# Allegro board 038RT-9068CJK8E-A100_0921_1.brd (continued)
## Placement (name value [footprint] x y rotation side) (continued)
NOREF#5093  -  []  185 214.96 0 top
NOREF#5094  -  []  286.49 199.43 0 top
NOREF#5095  -  []  404.47 266.22 0 top
NOREF#5096  -  []  602.77 207.82 0 top
NOREF#5097  -  []  388.15 223.37 0 top
NOREF#5098  -  []  610.95 179.12 0 top
NOREF#5099  -  []  123.58 47.77 90 top
NOREF#5100  -  []  600.81 204.23 0 top
NOREF#5101  -  []  60.63 191.22 90 top
NOREF#5102  -  []  86.97 203.82 0 top
NOREF#5103  -  []  59.69 373.37 90 top
NOREF#5104  -  []  166.96 259.08 0 top
NOREF#5105  -  []  52.31 215.01 90 top
NOREF#5106  -  []  633.45 339.97 0 top
NOREF#5107  -  []  617.08 331.22 90 top
NOREF#5108  -  []  601.07 164.08 0 top
NOREF#5109  -  []  131.43 312.42 90 top
NOREF#5110  -  []  441.22 217.63 90 top
NOREF#5111  -  []  407.9 253.53 90 top
NOREF#5112  -  []  85.65 230.09 0 top
NOREF#5113  -  []  604.4 212.59 90 top
NOREF#5114  -  []  288.56 250.87 90 top
NOREF#5115  -  []  603.57 259.82 0 top
NOREF#5116  -  []  602.91 181.71 0 top
NOREF#5117  -  []  517.83 434.42 90 top
NOREF#5118  -  []  586.66 181.71 90 top
NOREF#5119  -  []  468.26 432.64 90 top
NOREF#5120  -  []  274.78 279.15 90 top
NOREF#5121  -  []  86.61 265.03 0 top
NOREF#5122  -  []  407.29 269.03 0 top
NOREF#5123  -  []  608.18 241.06 90 top
NOREF#5124  -  []  436.2 225.03 0 top
NOREF#5125  -  []  104.63 157.86 0 top
NOREF#5126  -  []  459.22 439.19 0 top
NOREF#5127  -  []  601.59 261.83 0 top
NOREF#5128  -  []  673.94 155.19 90 top
NOREF#5129  -  []  556.62 153.92 0 top
NOREF#5130  -  []  91.39 205.03 0 top
NOREF#5131  -  []  14.11 185.04 0 top
NOREF#5132  -  []  503.67 263.68 0 top
NOREF#5133  -  []  410.07 209.42 0 top
NOREF#5134  -  []  282.4 219.42 90 top
NOREF#5135  -  []  593.61 260.23 0 top
NOREF#5136  -  []  227.8 203 0 top
NOREF#5137  -  []  408.11 204.21 0 top
NOREF#5138  -  []  373.61 203 90 top
NOREF#5139  -  []  292.95 218.14 0 top
NOREF#5140  -  []  586.66 182.91 0 top
NOREF#5141  -  []  92.17 261.05 90 top
NOREF#5142  -  []  622.83 225.14 0 top
NOREF#5143  -  []  460.42 439.19 0 top
NOREF#5144  -  []  472.22 92.61 90 top
NOREF#5145  -  []  631.5 349.96 90 top
NOREF#5146  -  []  402.49 201.83 0 top
NOREF#5147  -  []  437.41 221.69 90 top
NOREF#5148  -  []  91.39 265.03 0 top
NOREF#5149  -  []  356.84 38.91 0 top
NOREF#5150  -  []  276.79 144.61 0 top
NOREF#5151  -  []  121.01 160.02 90 top
NOREF#5152  -  []  324.92 217.53 90 top
NOREF#5153  -  []  574.53 314.58 0 top
NOREF#5154  -  []  90.36 290.11 0 top
NOREF#5155  -  []  186.57 266.69 0 top
NOREF#5156  -  []  404.11 267.43 0 top
NOREF#5157  -  []  606.65 242.01 90 top
NOREF#5158  -  []  604.01 213.81 0 top
NOREF#5159  -  []  529.78 185.39 0 top
NOREF#5160  -  []  679.31 269.88 0 top
NOREF#5161  -  []  294.96 27.63 90 top
NOREF#5162  -  []  88.17 269.03 90 top
NOREF#5163  -  []  177.57 445.82 0 top
NOREF#5164  -  []  586.01 241.7 90 top
NOREF#5165  -  []  404.91 272.21 0 top
NOREF#5166  -  []  437.4 226.41 90 top
NOREF#5167  -  []  597.2 206.2 90 top
NOREF#5168  -  []  403.31 208.23 0 top
NOREF#5169  -  []  405.75 285.56 90 top
NOREF#5170  -  []  174.3 305.22 0 top
NOREF#5171  -  []  284.5 211 90 top
NOREF#5172  -  []  401.71 205.01 0 top
NOREF#5173  -  []  282.49 267.45 90 top
NOREF#5174  -  []  598.39 266.63 90 top
NOREF#5175  -  []  280.89 270.61 0 top
NOREF#5176  -  []  404.47 207.02 0 top
NOREF#5177  -  []  85.79 264.23 0 top
NOREF#5178  -  []  595.57 211.82 0 top
NOREF#5179  -  []  600.77 203.45 90 top
NOREF#5180  -  []  605.2 272.62 90 top
NOREF#5181  -  []  319.08 144.84 0 top
NOREF#5182  -  []  594.97 192.89 90 top
NOREF#5183  -  []  408.47 269.42 0 top
NOREF#5184  -  []  288.47 269.42 0 top
NOREF#5185  -  []  62.84 246.47 90 top
NOREF#5186  -  []  352.2 270.11 0 top
NOREF#5187  -  []  117.97 309.63 90 top
NOREF#5188  -  []  538.08 55.75 0 top
NOREF#5189  -  []  292.47 267.82 0 top
NOREF#5190  -  []  360.57 264.97 90 top
NOREF#5191  -  []  97.84 290.09 0 top
NOREF#5192  -  []  398.51 269.03 0 top
NOREF#5193  -  []  599.6 264.6 90 top
NOREF#5194  -  []  436.21 220.31 0 top
NOREF#5195  -  []  176.3 25.07 0 top
NOREF#5196  -  []  531.98 232.05 0 top
NOREF#5197  -  []  401.1 40.93 0 top
NOREF#5198  -  []  577.46 38.23 90 top
NOREF#5199  -  []  366.53 205.92 0 top
NOREF#5200  -  []  628.81 196.73 0 top
NOREF#5201  -  []  488.58 417.96 90 top
NOREF#5202  -  []  230 210.11 0 top
NOREF#5203  -  []  675.41 245.12 0 top
NOREF#5204  -  []  299.43 201.14 90 top
NOREF#5205  -  []  608.18 181.06 90 top
NOREF#5206  -  []  75.42 335.53 0 top
NOREF#5207  -  []  91.8 266.99 90 top
NOREF#5208  -  []  295.94 250.79 0 top
NOREF#5209  -  []  349.51 442.9 90 top
NOREF#5210  -  []  126.81 27.55 0 top
NOREF#5211  -  []  596.43 152.6 0 top
NOREF#5212  -  []  585.33 309.63 90 top
NOREF#5213  -  []  286.9 203 90 top
NOREF#5214  -  []  254.63 29.12 90 top
NOREF#5215  -  []  684.26 288.57 90 top
NOREF#5216  -  []  283.67 213.42 0 top
NOREF#5217  -  []  572.1 204.29 90 top
NOREF#5218  -  []  373.44 433.78 90 top
NOREF#5219  -  []  403.29 260.23 0 top
NOREF#5220  -  []  340.05 38.65 90 top
NOREF#5221  -  []  682.28 175.65 90 top
NOREF#5222  -  []  86.97 203.02 0 top
NOREF#5223  -  []  349.6 290.73 0 top
NOREF#5224  -  []  87 200.59 90 top
NOREF#5225  -  []  46.34 380.04 90 top
NOREF#5226  -  []  323.23 48.13 0 top
NOREF#5227  -  []  570.9 219.17 90 top
NOREF#5228  -  []  595.57 269.42 0 top
NOREF#5229  -  []  246.23 213.29 0 top
NOREF#5230  -  []  276.81 282.96 90 top
NOREF#5231  -  []  406.9 200.59 90 top
NOREF#5232  -  []  408.5 203 90 top
NOREF#5233  -  []  285.69 211.43 90 top
NOREF#5234  -  []  -13.71 220.6 0 top
NOREF#5235  -  []  35.42 147.95 0 top
NOREF#5236  -  []  607.48 270.92 0 top
NOREF#5237  -  []  325.46 43.28 0 top
NOREF#5238  -  []  235.3 302.22 0 top
NOREF#5239  -  []  368.69 437.44 90 top
NOREF#5240  -  []  92.19 207.43 90 top
NOREF#5241  -  []  49.84 409.07 0 top
NOREF#5242  -  []  598.85 242.91 0 top
NOREF#5243  -  []  401.27 268.62 0 top
NOREF#5244  -  []  346.15 208.71 0 top
NOREF#5245  -  []  167.92 443.92 90 top
NOREF#5246  -  []  586.66 242.91 0 top
NOREF#5247  -  []  592.01 264.23 0 top
NOREF#5248  -  []  280.06 42.53 0 top
NOREF#5249  -  []  402.51 210.61 0 top
NOREF#5250  -  []  297.35 265.79 90 top
NOREF#5251  -  []  79.23 135 0 top
NOREF#5252  -  []  82.91 164.08 0 top
NOREF#5253  -  []  51.24 144.76 90 top
NOREF#5254  -  []  97.84 230.09 0 top
NOREF#5255  -  []  112.6 228.22 0 top
NOREF#5256  -  []  358.53 211.24 0 top
NOREF#5257  -  []  404.5 209.4 90 top
NOREF#5258  -  []  310.79 425.56 0 top
NOREF#5259  -  []  186.57 260.48 0 top
NOREF#5260  -  []  336.67 229.61 90 top
NOREF#5261  -  []  670.26 274.33 90 top
NOREF#5262  -  []  90.59 209.83 90 top
NOREF#5263  -  []  279.7 260.59 90 top
NOREF#5264  -  []  604.02 24.19 0 top
NOREF#5265  -  []  92.94 229.44 90 top
NOREF#5266  -  []  586.21 254.77 90 top
NOREF#5267  -  []  105.96 276.84 0 top
NOREF#5268  -  []  600.81 261.81 0 top
NOREF#5269  -  []  406.9 260.59 90 top
NOREF#5270  -  []  574.64 193.15 0 top
NOREF#5271  -  []  86.97 204.62 0 top
NOREF#5272  -  []  615.15 249.07 90 top
NOREF#5273  -  []  505.58 443.1 0 top
NOREF#5274  -  []  596.79 212.21 0 top
NOREF#5275  -  []  539.03 237 90 top
NOREF#5276  -  []  436.51 288.77 0 top
NOREF#5277  -  []  494.78 422.36 90 top
NOREF#5278  -  []  91.8 205.39 90 top
NOREF#5279  -  []  78.27 127.18 90 top
NOREF#5280  -  []  592.01 208.23 0 top
NOREF#5281  -  []  405.71 204.21 0 top
NOREF#5282  -  []  437.4 218.28 90 top
NOREF#5283  -  []  325.27 278.36 0 top
NOREF#5284  -  []  402.07 266.22 0 top
NOREF#5285  -  []  145.8 333.72 0 top
NOREF#5286  -  []  586.91 204.28 0 top
NOREF#5287  -  []  77.64 202.39 90 top
NOREF#5288  -  []  164.3 318.22 0 top
NOREF#5289  -  []  313.88 436.45 90 top
NOREF#5290  -  []  623.58 225.14 90 top
NOREF#5291  -  []  336.67 252.47 90 top
NOREF#5292  -  []  533.66 53.55 90 top
NOREF#5293  -  []  184.56 438.45 90 top
NOREF#5294  -  []  591.21 209.83 0 top
NOREF#5295  -  []  575.67 160.02 90 top
NOREF#5296  -  []  590.8 213.42 0 top
NOREF#5297  -  []  598.53 240.8 90 top
NOREF#5298  -  []  595.17 269.03 90 top
NOREF#5299  -  []  101.9 230.09 0 top
NOREF#5300  -  []  158.52 445.82 0 top
NOREF#5301  -  []  278.64 43.68 0 top
NOREF#5302  -  []  627.76 261.62 0 top
NOREF#5303  -  []  398.1 259.02 90 top
NOREF#5304  -  []  592.37 261.42 0 top
NOREF#5305  -  []  397.27 209.42 0 top
NOREF#5306  -  []  90.59 265.05 90 top
NOREF#5307  -  []  440.02 222.34 0 top
NOREF#5308  -  []  278.34 219.42 90 top
NOREF#5309  -  []  604.62 182.01 90 top
NOREF#5310  -  []  603.19 210.63 0 top
NOREF#5311  -  []  161.06 51.05 0 top
NOREF#5312  -  []  202.81 282.86 90 top
NOREF#5313  -  []  54.59 361.18 0 top
NOREF#5314  -  []  684.26 237.77 90 top
NOREF#5315  -  []  408.69 286.19 0 top
NOREF#5316  -  []  574.07 423.82 0 top
NOREF#5317  -  []  357.23 271.69 0 top
NOREF#5318  -  []  62.77 247.9 0 top
NOREF#5319  -  []  584.69 157.23 0 top
NOREF#5320  -  []  545.27 22.23 0 top
NOREF#5321  -  []  107.17 310.77 90 top
NOREF#5322  -  []  273.59 144.24 90 top
NOREF#5323  -  []  286.1 259.79 90 top
NOREF#5324  -  []  121.01 153.92 0 top
NOREF#5325  -  []  221.05 440.06 0 top
NOREF#5326  -  []  287.67 260.59 0 top
NOREF#5327  -  []  323.23 28.45 90 top
NOREF#5328  -  []  406.47 262.63 90 top
NOREF#5329  -  []  173.74 415.59 0 top
NOREF#5330  -  []  632.68 196.56 90 top
NOREF#5331  -  []  110.85 309.88 0 top
NOREF#5332  -  []  404.91 204.21 0 top
NOREF#5333  -  []  559.93 319.15 90 top
NOREF#5334  -  []  34.34 207.92 90 top
NOREF#5335  -  []  81.47 343.36 90 top
NOREF#5336  -  []  398.49 269.81 0 top
NOREF#5337  -  []  286.48 42.73 90 top
NOREF#5338  -  []  73.52 330.58 90 top
NOREF#5339  -  []  292.09 208.21 0 top
NOREF#5340  -  []  692.13 209.28 90 top
NOREF#5341  -  []  207.07 436.97 90 top
NOREF#5342  -  []  595.57 260.62 0 top
NOREF#5343  -  []  329.32 437.01 90 top
NOREF#5344  -  []  -1.06 388.01 0 top
NOREF#5345  -  []  278.07 212.62 0 top
NOREF#5346  -  []  185 227.37 0 top
NOREF#5347  -  []  407.67 267.82 0 top
NOREF#5348  -  []  407.67 260.59 0 top
NOREF#5349  -  []  105.27 150.5 90 top
NOREF#5350  -  []  597.57 205.83 90 top
NOREF#5351  -  []  88.21 263.43 0 top
NOREF#5352  -  []  286.32 195.14 0 top
NOREF#5353  -  []  52.64 368.97 90 top
NOREF#5354  -  []  284.91 212.21 0 top
NOREF#5355  -  []  96.19 206.65 90 top
NOREF#5356  -  []  403.09 230.11 90 top
NOREF#5357  -  []  52.31 271.77 90 top
NOREF#5358  -  []  362.71 201.95 90 top
NOREF#5359  -  []  599.6 262.99 90 top
NOREF#5360  -  []  174.65 32.31 90 top
NOREF#5361  -  []  593.58 314.58 0 top
NOREF#5362  -  []  400.89 272.21 0 top
NOREF#5363  -  []  400.89 270.61 0 top
NOREF#5364  -  []  106.09 207.35 90 top
NOREF#5365  -  []  167.92 443.92 0 top
NOREF#5366  -  []  610.73 149.86 90 top
NOREF#5367  -  []  107.17 229.44 90 top
NOREF#5368  -  []  538.08 50.35 90 top
NOREF#5369  -  []  586.33 180.8 90 top
NOREF#5370  -  []  618.68 325.6 0 top
NOREF#5371  -  []  84.62 150.04 90 top
NOREF#5372  -  []  279.67 211.02 0 top
NOREF#5373  -  []  565.51 49.32 0 top
NOREF#5374  -  []  569.95 450.48 0 top
NOREF#5375  -  []  553.22 427.65 90 top
NOREF#5376  -  []  521.24 44.55 0 top
NOREF#5377  -  []  92.97 212.25 90 top
NOREF#5378  -  []  597.26 187.58 90 top
NOREF#5379  -  []  673.94 28.83 90 top
NOREF#5380  -  []  357.85 285.12 0 top
NOREF#5381  -  []  590.07 181.7 0 top
NOREF#5382  -  []  604.81 208.21 0 top
NOREF#5383  -  []  405.69 271.43 90 top
NOREF#5384  -  []  542.4 428.85 90 top
NOREF#5385  -  []  595.99 203.41 0 top
NOREF#5386  -  []  599.99 264.23 0 top
NOREF#5387  -  []  603.82 26.64 0 top
NOREF#5388  -  []  410.07 269.42 0 top
NOREF#5389  -  []  406.1 208.6 90 top
NOREF#5390  -  []  117.15 279.84 90 top
NOREF#5391  -  []  447.76 431.58 90 top
NOREF#5392  -  []  483.33 426.36 0 top
NOREF#5393  -  []  576.06 199.57 90 top
NOREF#5394  -  []  89.01 205.83 0 top
NOREF#5395  -  []  231.99 184.58 0 top
NOREF#5396  -  []  509.48 35.81 90 top
NOREF#5397  -  []  279.7 203.8 90 top
NOREF#5398  -  []  679.31 219.07 0 top
NOREF#5399  -  []  403.29 210.63 0 top
NOREF#5400  -  []  287.29 209.03 0 top
NOREF#5401  -  []  96.19 266.65 90 top
NOREF#5402  -  []  350.91 444.8 90 top
NOREF#5403  -  []  284.87 266.63 90 top
NOREF#5404  -  []  497.24 92.61 90 top
NOREF#5405  -  []  211.55 423.14 0 top
NOREF#5406  -  []  484.3 181.22 90 top
NOREF#5407  -  []  89.26 137.16 90 top
NOREF#5408  -  []  592.37 202.22 0 top
NOREF#5409  -  []  404.09 259.43 0 top
NOREF#5410  -  []  487.91 276.1 0 top
NOREF#5411  -  []  86.63 40.89 0 top
NOREF#5412  -  []  4.26 94.87 90 top
NOREF#5413  -  []  364.78 272.24 0 top
NOREF#5414  -  []  284.47 207.02 0 top
NOREF#5415  -  []  498.27 260.48 90 top
NOREF#5416  -  []  405.67 208.25 90 top
NOREF#5417  -  []  4.26 94.87 0 top
NOREF#5418  -  []  127.36 149.86 90 top
NOREF#5419  -  []  399.67 271.02 0 top
NOREF#5420  -  []  280.55 280.05 0 top
NOREF#5421  -  []  72.88 135 0 top
NOREF#5422  -  []  77.86 258.12 0 top
NOREF#5423  -  []  284.89 272.25 90 top
NOREF#5424  -  []  426.47 454.25 0 top
NOREF#5425  -  []  3.19 176.66 90 top
NOREF#5426  -  []  231.65 231.08 0 top
NOREF#5427  -  []  355.89 290.13 0 top
NOREF#5428  -  []  91.41 264.21 0 top
NOREF#5429  -  []  92.19 265.03 0 top
NOREF#5430  -  []  272.7 146.04 0 top
NOREF#5431  -  []  439.11 278.61 0 top
NOREF#5432  -  []  127.36 153.92 0 top
NOREF#5433  -  []  357.78 203.62 0 top
NOREF#5434  -  []  291.31 273.01 0 top
NOREF#5435  -  []  407.31 266.63 0 top
NOREF#5436  -  []  280.88 279.15 90 top
NOREF#5437  -  []  640.39 124.58 0 top
NOREF#5438  -  []  90.44 42.16 0 top
NOREF#5439  -  []  602.39 209.01 0 top
NOREF#5440  -  []  10.39 245.12 0 top
NOREF#5441  -  []  85.81 268.21 0 top
NOREF#5442  -  []  615.17 270.52 90 top
NOREF#5443  -  []  600.81 207.43 0 top
NOREF#5444  -  []  291.27 270.63 90 top
NOREF#5445  -  []  280.89 264.23 90 top
NOREF#5446  -  []  597.39 153.42 90 top
NOREF#5447  -  []  509.38 44.83 90 top
NOREF#5448  -  []  400.89 264.23 90 top
NOREF#5449  -  []  7.39 245.12 0 top
NOREF#5450  -  []  602.77 201.42 0 top
NOREF#5451  -  []  286.49 269.03 90 top
NOREF#5452  -  []  307.25 144.61 0 top
NOREF#5453  -  []  503.67 225.76 0 top
NOREF#5454  -  []  171.86 27.05 90 top
NOREF#5455  -  []  566.28 149.61 90 top
NOREF#5456  -  []  284.94 284.18 90 top
NOREF#5457  -  []  608.03 275.17 0 top
NOREF#5458  -  []  338.48 48.17 0 top
NOREF#5459  -  []  437.41 223.73 90 top
NOREF#5460  -  []  599.6 259.8 90 top
NOREF#5461  -  []  596.17 181.7 0 top
NOREF#5462  -  []  282.47 198.65 90 top
NOREF#5463  -  []  506.73 445.44 90 top
NOREF#5464  -  []  435.3 278.61 0 top
NOREF#5465  -  []  285.82 223.21 90 top
NOREF#5466  -  []  430.77 50.36 0 top
NOREF#5467  -  []  682.28 143.27 90 top
NOREF#5468  -  []  436.51 222.67 0 top
NOREF#5469  -  []  588.69 242.91 0 top
NOREF#5470  -  []  238.53 271.24 0 top
NOREF#5471  -  []  91.8 208.6 90 top
NOREF#5472  -  []  276.49 220.05 0 top
NOREF#5473  -  []  534.65 433.7 0 top
NOREF#5474  -  []  277.69 272.23 0 top
NOREF#5475  -  []  286.9 271 90 top
NOREF#5476  -  []  605.59 213.03 90 top
NOREF#5477  -  []  590.4 242.01 90 top
NOREF#5478  -  []  117.97 316.87 90 top
NOREF#5479  -  []  292.2 278.14 0 top
NOREF#5480  -  []  162.2 443.92 0 top
NOREF#5481  -  []  61.94 214.46 90 top
NOREF#5482  -  []  693.28 181.02 0 top
NOREF#5483  -  []  408.87 208.25 90 top
NOREF#5484  -  []  415.94 250.79 0 top
NOREF#5485  -  []  237.78 271.24 0 top
NOREF#5486  -  []  277.3 272.6 90 top
NOREF#5487  -  []  61.64 274.21 90 top
NOREF#5488  -  []  106.87 322.4 90 top
NOREF#5489  -  []  592.37 203 90 top
NOREF#5490  -  []  576.06 195.54 90 top
NOREF#5491  -  []  173.46 36.63 90 top
NOREF#5492  -  []  71.92 153.24 0 top
NOREF#5493  -  []  284.64 242.02 90 top
NOREF#5494  -  []  283.29 260.23 0 top
NOREF#5495  -  []  603.99 205.01 0 top
NOREF#5496  -  []  99.39 265.01 0 top
NOREF#5497  -  []  84.73 239.44 90 top
NOREF#5498  -  []  180.86 49.56 0 top
NOREF#5499  -  []  440.32 284.7 0 top
NOREF#5500  -  []  334.02 426.39 90 top
NOREF#5501  -  []  94.59 267.41 0 top
NOREF#5502  -  []  106.25 215.21 90 top
NOREF#5503  -  []  407.29 273.01 0 top
NOREF#5504  -  []  600.77 271.43 90 top
NOREF#5505  -  []  129.93 47.77 90 top
NOREF#5506  -  []  347.8 203 0 top
NOREF#5507  -  []  337.54 31.92 90 top
NOREF#5508  -  []  288.47 211.02 0 top
NOREF#5509  -  []  234.74 292.48 0 top
NOREF#5510  -  []  84.27 290.11 0 top
NOREF#5511  -  []  85.4 199.02 90 top
NOREF#5512  -  []  277.69 279.4 90 top
NOREF#5513  -  []  542.62 447.54 0 top
NOREF#5514  -  []  748.4 320.81 90 top
NOREF#5515  -  []  14.11 53.59 0 top
NOREF#5516  -  []  633.37 279.42 90 top
NOREF#5517  -  []  91 268.6 90 top
NOREF#5518  -  []  97.37 263.02 0 top
NOREF#5519  -  []  357.78 271.24 0 top
NOREF#5520  -  []  609.08 214.92 0 top
NOREF#5521  -  []  292.47 202.22 0 top
NOREF#5522  -  []  142.33 215.1 90 top
NOREF#5523  -  []  287.27 200.25 90 top
NOREF#5524  -  []  603.97 268.23 90 top
NOREF#5525  -  []  408.5 212.6 90 top
NOREF#5526  -  []  222.05 433.64 90 top
NOREF#5527  -  []  337.16 32 0 top
NOREF#5528  -  []  542.4 432.05 0 top
NOREF#5529  -  []  339.41 433.78 90 top
NOREF#5530  -  []  93.79 265.03 0 top
NOREF#5531  -  []  96.6 273.39 90 top
NOREF#5532  -  []  588.37 164.08 0 top
NOREF#5533  -  []  288.89 272.23 90 top
NOREF#5534  -  []  426.57 422.36 90 top
NOREF#5535  -  []  41.3 480.32 90 top
NOREF#5536  -  []  591.68 309.63 90 top
NOREF#5537  -  []  325.24 251.82 90 top
NOREF#5538  -  []  591.63 186.68 90 top
NOREF#5539  -  []  406.1 259.79 90 top
NOREF#5540  -  []  405.3 271 90 top
NOREF#5541  -  []  411.29 201.03 90 top
NOREF#5542  -  []  68.6 181.02 0 top
NOREF#5543  -  []  276.49 223.86 0 top
NOREF#5544  -  []  293.67 44.59 90 top
NOREF#5545  -  []  333.26 27.56 0 top
NOREF#5546  -  []  557.89 49.32 0 top
NOREF#5547  -  []  292.89 272.23 90 top
NOREF#5548  -  []  88.6 260.59 90 top
NOREF#5549  -  []  537.38 185.39 90 top
NOREF#5550  -  []  190.3 177.22 90 top
NOREF#5551  -  []  408.89 272.23 90 top
NOREF#5552  -  []  324.89 220.51 0 top
NOREF#5553  -  []  288.09 203.43 90 top
NOREF#5554  -  []  413.1 221.84 0 top
NOREF#5555  -  []  268.15 189.07 90 top
NOREF#5556  -  []  290.51 273.01 0 top
NOREF#5557  -  []  537.38 232.05 90 top
NOREF#5558  -  []  516.12 443.53 0 top
NOREF#5559  -  []  92.97 207.45 90 top
NOREF#5560  -  []  250.03 273.53 90 top
NOREF#5561  -  []  329.22 250.8 90 top
NOREF#5562  -  []  330.67 273.66 90 top
NOREF#5563  -  []  104.9 266.89 90 top
NOREF#5564  -  []  95.26 248.97 90 top
NOREF#5565  -  []  164.24 445.82 90 top
NOREF#5566  -  []  288.47 211.82 0 top
NOREF#5567  -  []  189.51 50.36 90 top
NOREF#5568  -  []  596.77 211.43 90 top
NOREF#5569  -  []  112.6 288.22 0 top
NOREF#5570  -  []  585.83 181.06 90 top
NOREF#5571  -  []  516.16 60.43 0 top
NOREF#5572  -  []  406.49 211.43 90 top
NOREF#5573  -  []  542.4 426.65 90 top
NOREF#5574  -  []  593.61 259.41 0 top
NOREF#5575  -  []  497.24 326.54 90 top
NOREF#5576  -  []  281.69 270.63 0 top
NOREF#5577  -  []  79.6 193.22 90 top
NOREF#5578  -  []  153.49 221.16 0 top
NOREF#5579  -  []  11.29 207.6 90 top
NOREF#5580  -  []  153.22 234.04 0 top
NOREF#5581  -  []  96.97 271.43 90 top
NOREF#5582  -  []  594.39 205.05 90 top
NOREF#5583  -  []  285.59 218.14 0 top
NOREF#5584  -  []  343.8 424.48 90 top
NOREF#5585  -  []  325.27 277.66 0 top
NOREF#5586  -  []  174.65 32.31 0 top
NOREF#5587  -  []  413.69 201.05 90 top
NOREF#5588  -  []  593.17 203.82 0 top
NOREF#5589  -  []  346.15 201.6 0 top
NOREF#5590  -  []  605.32 284.37 90 top
NOREF#5591  -  []  673.94 23.75 90 top
NOREF#5592  -  []  271.45 431.58 90 top
NOREF#5593  -  []  591.94 283.47 90 top
NOREF#5594  -  []  289.69 269.01 0 top
NOREF#5595  -  []  514.56 28.57 90 top
NOREF#5596  -  []  285.3 201.4 90 top
NOREF#5597  -  []  86.2 259 90 top
NOREF#5598  -  []  462.51 38.13 90 top
NOREF#5599  -  []  287.29 200.23 0 top
NOREF#5600  -  []  92.39 290.11 0 top
NOREF#5601  -  []  206.81 216.36 0 top
NOREF#5602  -  []  279.31 207.43 0 top
NOREF#5603  -  []  274.78 219.15 90 top
NOREF#5604  -  []  86.98 333.38 90 top
NOREF#5605  -  []  237.26 23.33 90 top
NOREF#5606  -  []  598.87 46.82 0 top
NOREF#5607  -  []  125.9 42.91 90 top
NOREF#5608  -  []  405.3 263 90 top
NOREF#5609  -  []  399.67 271.82 0 top
NOREF#5610  -  []  251.83 28.72 0 top
NOREF#5611  -  []  593.97 200.62 0 top
NOREF#5612  -  []  98.92 316.87 90 top
NOREF#5613  -  []  518.42 221.16 90 top
NOREF#5614  -  []  398.1 213.42 0 top
NOREF#5615  -  []  597.2 266.2 90 top
NOREF#5616  -  []  591.21 210.63 0 top
NOREF#5617  -  []  598.02 181.06 90 top
NOREF#5618  -  []  602.39 202.65 90 top
NOREF#5619  -  []  88.19 204.21 0 top
NOREF#5620  -  []  512.44 426.39 0 top
NOREF#5621  -  []  593.58 310.77 90 top
NOREF#5622  -  []  93.79 263.43 90 top
NOREF#5623  -  []  106.25 271.18 90 top
NOREF#5624  -  []  402.47 210.63 90 top
NOREF#5625  -  []  406.51 264.21 0 top
NOREF#5626  -  []  603.17 265.83 90 top
NOREF#5627  -  []  11.81 16.65 90 top
NOREF#5628  -  []  91 260.6 90 top
NOREF#5629  -  []  104.59 290.11 0 top
NOREF#5630  -  []  283.7 271 90 top
NOREF#5631  -  []  408.89 201.03 0 top
NOREF#5632  -  []  549.93 271.5 90 top
NOREF#5633  -  []  441.21 278.28 90 top
NOREF#5634  -  []  171.09 46.35 0 top
NOREF#5635  -  []  76.11 196.82 0 top
NOREF#5636  -  []  86.61 261.81 0 top
NOREF#5637  -  []  390.53 142.61 90 top
NOREF#5638  -  []  672.31 242.02 0 top
NOREF#5639  -  []  673.94 185.04 0 top
NOREF#5640  -  []  285.27 283.88 0 top
NOREF#5641  -  []  93.59 289.46 90 top
NOREF#5642  -  []  535.18 276.1 0 top
NOREF#5643  -  []  284.11 266.63 0 top
NOREF#5644  -  []  281.71 205.01 0 top
NOREF#5645  -  []  96.19 205.85 90 top
NOREF#5646  -  []  172.62 25.78 90 top
NOREF#5647  -  []  288.5 203 90 top
NOREF#5648  -  []  608.03 270.47 0 top
NOREF#5649  -  []  400.91 208.23 0 top
NOREF#5650  -  []  602.39 201.03 90 top
NOREF#5651  -  []  334.78 45.97 90 top
NOREF#5652  -  []  59.69 386.09 90 top
NOREF#5653  -  []  156.42 234.04 0 top
NOREF#5654  -  []  280.08 191.74 90 top
NOREF#5655  -  []  593.17 203.02 0 top
NOREF#5656  -  []  99.41 209.03 90 top
NOREF#5657  -  []  670.26 223.53 90 top
NOREF#5658  -  []  501.47 219.56 0 top
NOREF#5659  -  []  294.57 39.2 90 top
NOREF#5660  -  []  72.6 181.02 90 top
NOREF#5661  -  []  298.25 181.02 90 top
NOREF#5662  -  []  240.57 204.97 90 top
NOREF#5663  -  []  297.46 262.26 90 top
NOREF#5664  -  []  592.37 262.22 0 top
NOREF#5665  -  []  588.04 241.7 90 top
NOREF#5666  -  []  402.9 260.59 90 top
NOREF#5667  -  []  81.87 188.07 90 top
NOREF#5668  -  []  284.91 272.21 0 top
NOREF#5669  -  []  449.81 436.97 90 top
NOREF#5670  -  []  367.28 265.91 0 top
NOREF#5671  -  []  291.31 213.01 0 top
NOREF#5672  -  []  599.21 207.41 0 top
NOREF#5673  -  []  409.67 200.25 90 top
NOREF#5674  -  []  351.22 415.37 90 top
NOREF#5675  -  []  183.92 445.82 0 top
NOREF#5676  -  []  72.88 154.05 90 top
NOREF#5677  -  []  440.01 218.93 0 top
NOREF#5678  -  []  317 420.16 90 top
NOREF#5679  -  []  100.2 289.19 90 top
NOREF#5680  -  []  593.75 194.06 0 top
NOREF#5681  -  []  292.11 201.83 0 top
NOREF#5682  -  []  57.91 269.99 90 top
NOREF#5683  -  []  56.94 211.67 0 top
NOREF#5684  -  []  592.79 269.05 90 top
NOREF#5685  -  []  87.8 211.8 90 top
NOREF#5686  -  []  580.88 310.77 90 top
NOREF#5687  -  []  440.32 220.64 0 top
NOREF#5688  -  []  341.01 446.71 90 top
NOREF#5689  -  []  293.69 201.05 90 top
NOREF#5690  -  []  280.89 212.21 0 top
NOREF#5691  -  []  278.51 269.03 0 top
NOREF#5692  -  []  415.01 39.2 90 top
NOREF#5693  -  []  292.2 44.59 90 top
NOREF#5694  -  []  670.26 255.28 90 top
NOREF#5695  -  []  70.21 141.22 0 top
NOREF#5696  -  []  285.69 265.05 90 top
NOREF#5697  -  []  365.33 213.54 0 top
NOREF#5698  -  []  439.11 218.61 0 top
NOREF#5699  -  []  7.76 19.94 90 top
NOREF#5700  -  []  337.68 41.15 0 top
NOREF#5701  -  []  602.8 202.2 90 top
NOREF#5702  -  []  404.47 206.22 0 top
NOREF#5703  -  []  315.3 40.08 90 top
NOREF#5704  -  []  91.74 230.09 0 top
NOREF#5705  -  []  629.71 196.98 0 top
NOREF#5706  -  []  400.89 212.21 0 top
NOREF#5707  -  []  54.32 247.81 0 top
NOREF#5708  -  []  235.3 302.22 0 top
NOREF#5709  -  []  673.94 61.21 90 top
NOREF#5710  -  []  598 268.6 90 top
NOREF#5711  -  []  370.33 205.67 90 top
NOREF#5712  -  []  56.94 276.31 0 top
NOREF#5713  -  []  69.07 314.58 0 top
NOREF#5714  -  []  296.81 59.33 315 top
NOREF#5715  -  []  407.7 209.4 90 top
NOREF#5716  -  []  406.51 212.21 0 top
NOREF#5717  -  []  43.58 466.51 90 top
NOREF#5718  -  []  93.81 202.63 0 top
NOREF#5719  -  []  276.49 280.05 0 top
NOREF#5720  -  []  406.32 255.14 0 top
NOREF#5721  -  []  88.57 208.62 0 top
NOREF#5722  -  []  169.95 445.82 90 top
NOREF#5723  -  []  566.05 202.44 90 top
NOREF#5724  -  []  288.11 264.21 0 top
NOREF#5725  -  []  86.97 202.22 0 top
NOREF#5726  -  []  390 27.63 0 top
NOREF#5727  -  []  598.2 241.7 90 top
NOREF#5728  -  []  160.45 272.9 90 top
NOREF#5729  -  []  219.43 439.19 0 top
NOREF#5730  -  []  137.98 234.04 0 top
NOREF#5731  -  []  602.39 265.85 90 top
NOREF#5732  -  []  604.3 181.7 90 top
NOREF#5733  -  []  91.37 209.85 90 top
NOREF#5734  -  []  605.2 212.62 90 top
NOREF#5735  -  []  221.42 428.64 90 top
NOREF#5736  -  []  338.34 19.33 0 top
NOREF#5737  -  []  400.89 201.03 90 top
NOREF#5738  -  []  400.91 268.23 0 top
NOREF#5739  -  []  193.95 443.92 0 top
NOREF#5740  -  []  53.39 367.32 90 top
NOREF#5741  -  []  7.39 226.07 0 top
NOREF#5742  -  []  232.7 183.68 90 top
NOREF#5743  -  []  286.49 271.43 90 top
NOREF#5744  -  []  148.91 425.85 90 top
NOREF#5745  -  []  418.43 216.23 0 top
NOREF#5746  -  []  90.44 34.54 90 top
NOREF#5747  -  []  93.78 290.09 0 top
NOREF#5748  -  []  600.01 270.61 0 top
NOREF#5749  -  []  623.58 225.14 0 top
NOREF#5750  -  []  283.29 265.81 0 top
NOREF#5751  -  []  399.35 36.71 90 top
NOREF#5752  -  []  289.71 269.83 0 top
NOREF#5753  -  []  399.31 207.43 0 top
NOREF#5754  -  []  96.97 211.43 90 top
NOREF#5755  -  []  396.28 444.45 0 top
NOREF#5756  -  []  606.98 181.71 0 top
NOREF#5757  -  []  40.87 396.14 90 top
NOREF#5758  -  []  411.27 208.23 90 top
NOREF#5759  -  []  272.29 144.84 0 top
NOREF#5760  -  []  407.27 198.65 90 top
NOREF#5761  -  []  554.67 22.23 90 top
NOREF#5762  -  []  1 387.55 0 top
NOREF#5763  -  []  610.95 233.32 0 top
NOREF#5764  -  []  246.3 265.49 90 top
NOREF#5765  -  []  287.86 435.24 90 top
NOREF#5766  -  []  121.35 266.82 90 top
NOREF#5767  -  []  362.76 214.71 0 top
NOREF#5768  -  []  401.71 201.81 0 top
NOREF#5769  -  []  349.26 17.6 90 top
NOREF#5770  -  []  286.32 194.31 0 top
NOREF#5771  -  []  96.6 213.4 90 top
NOREF#5772  -  []  86.59 258.63 0 top
NOREF#5773  -  []  89.77 263.43 90 top
NOREF#5774  -  []  601.59 201.83 0 top
NOREF#5775  -  []  96.19 268.25 90 top
NOREF#5776  -  []  50.05 235.76 90 top
NOREF#5777  -  []  289.71 201.81 0 top
NOREF#5778  -  []  604.3 182.9 0 top
NOREF#5779  -  []  638.54 352.16 90 top
NOREF#5780  -  []  151.93 429.7 90 top
NOREF#5781  -  []  394.1 34.58 90 top
NOREF#5782  -  []  222.65 436.44 0 top
NOREF#5783  -  []  510.41 443.53 90 top
NOREF#5784  -  []  92.6 265.39 90 top
NOREF#5785  -  []  399.7 263.8 90 top
NOREF#5786  -  []  88 230.41 90 top
NOREF#5787  -  []  409.67 260.25 90 top
NOREF#5788  -  []  603.19 199.43 0 top
NOREF#5789  -  []  58.72 427.36 90 top
NOREF#5790  -  []  97.83 209.81 0 top
NOREF#5791  -  []  400.89 262.63 90 top
NOREF#5792  -  []  405.3 259.79 90 top
NOREF#5793  -  []  115.62 219.58 90 top
NOREF#5794  -  []  86.97 206.22 0 top
NOREF#5795  -  []  360.57 204.97 90 top
NOREF#5796  -  []  403.31 273.03 0 top
NOREF#5797  -  []  343.8 442.9 90 top
NOREF#5798  -  []  600.37 206.22 0 top
NOREF#5799  -  []  601.59 265.81 0 top
NOREF#5800  -  []  94.57 204.25 90 top
NOREF#5801  -  []  510.14 47.62 90 top
NOREF#5802  -  []  400.89 211.41 0 top
NOREF#5803  -  []  583.73 149.4 90 top
NOREF#5804  -  []  414.5 217.54 90 top
NOREF#5805  -  []  393.76 208.71 90 top
NOREF#5806  -  []  412.09 211.41 0 top
NOREF#5807  -  []  14.11 21.21 90 top
NOREF#5808  -  []  293.69 206.65 90 top
NOREF#5809  -  []  87.39 267.43 90 top
NOREF#5810  -  []  153.8 325.72 0 top
NOREF#5811  -  []  236.58 289.54 0 top
NOREF#5812  -  []  440.02 278.28 0 top
NOREF#5813  -  []  591.68 316.87 90 top
NOREF#5814  -  []  276.52 48.93 0 top
NOREF#5815  -  []  603.57 263.82 0 top
NOREF#5816  -  []  259.76 21.33 90 top
NOREF#5817  -  []  279.31 205.01 0 top
NOREF#5818  -  []  238.53 203.62 0 top
NOREF#5819  -  []  99.39 267.41 0 top
NOREF#5820  -  []  58.29 155.66 0 top
NOREF#5821  -  []  202.33 260.48 0 top
NOREF#5822  -  []  85.81 212.23 0 top
NOREF#5823  -  []  238.83 201.77 90 top
NOREF#5824  -  []  384.53 378.54 0 top
NOREF#5825  -  []  584.24 255.92 90 top
NOREF#5826  -  []  592.81 262.63 0 top
NOREF#5827  -  []  602.77 264.62 0 top
NOREF#5828  -  []  405.69 211.43 90 top
NOREF#5829  -  []  410.87 267.82 0 top
NOREF#5830  -  []  664.7 14.6 0 top
NOREF#5831  -  []  292.89 212.23 90 top
NOREF#5832  -  []  383.7 21.33 0 top
NOREF#5833  -  []  285.11 253.92 0 top
NOREF#5834  -  []  97.37 271.02 0 top
NOREF#5835  -  []  605.59 261.85 90 top
NOREF#5836  -  []  357.23 211.69 0 top
NOREF#5837  -  []  89.79 208.21 0 top
NOREF#5838  -  []  608.78 210.47 0 top
NOREF#5839  -  []  26.49 485.4 0 top
NOREF#5840  -  []  238.67 285.35 90 top
NOREF#5841  -  []  145.3 336.22 0 top
NOREF#5842  -  []  238.53 261.52 90 top
NOREF#5843  -  []  106.08 432.93 0 top
NOREF#5844  -  []  605.59 273.03 90 top
NOREF#5845  -  []  59.69 381.69 90 top
NOREF#5846  -  []  529.78 198.09 0 top
NOREF#5847  -  []  287.29 269.03 90 top
NOREF#5848  -  []  285.69 205.05 90 top
NOREF#5849  -  []  414.73 423.14 90 top
NOREF#5850  -  []  600.37 266.22 0 top
NOREF#5851  -  []  279.67 271.82 0 top
NOREF#5852  -  []  347.1 419.02 90 top
NOREF#5853  -  []  281.2 280.07 0 top
NOREF#5854  -  []  407.31 207.43 0 top
NOREF#5855  -  []  366.23 265.66 0 top
NOREF#5856  -  []  603.6 202.2 90 top
NOREF#5857  -  []  288.7 226.19 0 top
NOREF#5858  -  []  273.66 34.58 90 top
NOREF#5859  -  []  432.48 274.83 0 top
NOREF#5860  -  []  624.78 225.14 0 top
NOREF#5861  -  []  323.23 44.32 90 top
NOREF#5862  -  []  592.43 242.01 90 top
NOREF#5863  -  []  685.63 189.9 90 top
NOREF#5864  -  []  603.57 199.82 0 top
NOREF#5865  -  []  603.99 260.25 90 top
NOREF#5866  -  []  283.67 203.02 0 top
NOREF#5867  -  []  347.95 27.05 90 top
NOREF#5868  -  []  402.97 192.32 90 top
NOREF#5869  -  []  400.07 209.03 90 top
NOREF#5870  -  []  632.24 346.11 90 top
NOREF#5871  -  []  342.05 262.23 90 top
NOREF#5872  -  []  95.39 261.85 90 top
NOREF#5873  -  []  580.88 314.58 0 top
NOREF#5874  -  []  280.89 259.43 0 top
NOREF#5875  -  []  284.5 271 90 top
NOREF#5876  -  []  597.26 309.88 0 top
NOREF#5877  -  []  414.11 44.59 90 top
NOREF#5878  -  []  72.6 224.37 0 top
NOREF#5879  -  []  404.11 272.21 0 top
NOREF#5880  -  []  121.01 149.86 90 top
NOREF#5881  -  []  296.45 203.55 90 top
NOREF#5882  -  []  593.62 218.2 90 top
NOREF#5883  -  []  336.67 218.18 90 top
NOREF#5884  -  []  514.03 216.36 90 top
NOREF#5885  -  []  90.2 211 90 top
NOREF#5886  -  []  89.77 270.63 90 top
NOREF#5887  -  []  506 44.55 0 top
NOREF#5888  -  []  628.81 201.37 0 top
NOREF#5889  -  []  682.28 143.27 90 top
NOREF#5890  -  []  142.81 207.03 90 top
NOREF#5891  -  []  107.82 229.46 90 top
NOREF#5892  -  []  410.47 211.45 90 top
NOREF#5893  -  []  596.79 259.45 90 top
NOREF#5894  -  []  394.53 332.54 90 top
NOREF#5895  -  []  598.39 268.23 0 top
NOREF#5896  -  []  228.75 378.54 0 top
NOREF#5897  -  []  679.31 258.4 90 top
NOREF#5898  -  []  23.7 369.99 0 top
NOREF#5899  -  []  342.05 216.51 90 top
NOREF#5900  -  []  298.25 181.02 90 top
NOREF#5901  -  []  606.33 241.7 0 top
NOREF#5902  -  []  404.87 206.63 90 top
NOREF#5903  -  []  399.31 207.41 0 top
NOREF#5904  -  []  536.68 46.5 90 top
NOREF#5905  -  []  675.41 226.07 0 top
NOREF#5906  -  []  461.51 36.11 0 top
NOREF#5907  -  []  375.07 29.12 90 top
NOREF#5908  -  []  407.29 263.43 90 top
NOREF#5909  -  []  392.3 193.22 90 top
NOREF#5910  -  []  285.67 208.25 90 top
NOREF#5911  -  []  103.68 268.11 0 top
NOREF#5912  -  []  97.79 266.61 0 top
NOREF#5913  -  []  119.57 322.4 90 top
NOREF#5914  -  []  279.06 36.11 0 top
NOREF#5915  -  []  286.34 218.14 0 top
NOREF#5916  -  []  79.23 157.86 0 top
NOREF#5917  -  []  400.89 261.03 90 top
NOREF#5918  -  []  634.88 202.07 90 top
NOREF#5919  -  []  517.23 269.89 0 top
NOREF#5920  -  []  502.92 453.01 0 top
NOREF#5921  -  []  401.69 270.63 0 top
NOREF#5922  -  []  288.87 208.25 90 top
NOREF#5923  -  []  231.65 291.08 0 top
NOREF#5924  -  []  507.11 437.01 90 top
NOREF#5925  -  []  584.23 423.82 0 top
NOREF#5926  -  []  103.54 432.93 0 top
NOREF#5927  -  []  571.3 450.93 0 top
NOREF#5928  -  []  408.89 206.65 90 top
NOREF#5929  -  []  21.21 381.99 0 top
NOREF#5930  -  []  358.53 269.14 90 top
NOREF#5931  -  []  326.57 216.53 0 top
NOREF#5932  -  []  83.62 290.09 0 top
NOREF#5933  -  []  404.89 212.25 90 top
NOREF#5934  -  []  292.09 272.23 90 top
NOREF#5935  -  []  92.07 290.41 90 top
NOREF#5936  -  []  98.57 212.25 90 top
NOREF#5937  -  []  287.31 204.21 0 top
NOREF#5938  -  []  287.67 200.59 0 top
NOREF#5939  -  []  96.57 268.62 0 top
NOREF#5940  -  []  282.1 271 90 top
NOREF#5941  -  []  670.26 243.53 0 top
NOREF#5942  -  []  328.18 27.56 0 top
NOREF#5943  -  []  407.7 271.79 90 top
NOREF#5944  -  []  336.65 221.21 0 top
NOREF#5945  -  []  336.67 206.75 90 top
NOREF#5946  -  []  281.3 259.8 90 top
NOREF#5947  -  []  91.37 207.43 90 top
NOREF#5948  -  []  140.63 216 0 top
NOREF#5949  -  []  280.89 211.41 0 top
NOREF#5950  -  []  20.42 467.09 90 top
NOREF#5951  -  []  406.49 269.03 90 top
NOREF#5952  -  []  355.4 263 90 top
NOREF#5953  -  []  608.06 136.53 90 top
NOREF#5954  -  []  436.2 282.99 0 top
NOREF#5955  -  []  290.07 269.42 0 top
NOREF#5956  -  []  585.33 159.77 90 top
NOREF#5957  -  []  605.14 312.42 90 top
NOREF#5958  -  []  399.31 263.41 0 top
NOREF#5959  -  []  409.69 263.43 90 top
NOREF#5960  -  []  282.9 211 90 top
NOREF#5961  -  []  282.07 206.22 0 top
NOREF#5962  -  []  412.07 209.85 90 top
NOREF#5963  -  []  244.78 264.62 0 top
NOREF#5964  -  []  282.9 260.59 90 top
NOREF#5965  -  []  603.99 266.65 90 top
NOREF#5966  -  []  404.47 267.82 0 top
NOREF#5967  -  []  408.87 206.63 90 top
NOREF#5968  -  []  30.01 423.7 90 top
NOREF#5969  -  []  89.79 269.83 90 top
NOREF#5970  -  []  449.43 210.23 90 top
NOREF#5971  -  []  337.78 47.9 0 top
NOREF#5972  -  []  592.79 209.05 90 top
NOREF#5973  -  []  362.01 433.78 90 top
NOREF#5974  -  []  641.53 202.07 90 top
NOREF#5975  -  []  598.8 203 90 top
NOREF#5976  -  []  166.95 286.01 0 top
NOREF#5977  -  []  285.59 222.09 0 top
NOREF#5978  -  []  638.54 364.87 90 top
NOREF#5979  -  []  277.69 223.21 90 top
NOREF#5980  -  []  599.99 266.63 90 top
NOREF#5981  -  []  277.44 43.68 0 top
NOREF#5982  -  []  162.1 271.5 90 top
NOREF#5983  -  []  92.17 263.45 90 top
NOREF#5984  -  []  274.75 183.91 90 top
NOREF#5985  -  []  286.32 255.14 0 top
NOREF#5986  -  []  468.93 42.73 90 top
NOREF#5987  -  []  66.87 191.51 90 top
NOREF#5988  -  []  295.94 190.79 0 top
NOREF#5989  -  []  131.48 440.72 90 top
NOREF#5990  -  []  403.7 259.8 90 top
NOREF#5991  -  []  408.5 201.39 90 top
NOREF#5992  -  []  290.87 201.42 0 top
NOREF#5993  -  []  334.02 50.42 90 top
NOREF#5994  -  []  98.49 290.11 0 top
NOREF#5995  -  []  631.5 347.76 90 top
NOREF#5996  -  []  6.8 325.12 90 top
NOREF#5997  -  []  600.88 242.91 0 top
NOREF#5998  -  []  407.9 194.36 90 top
NOREF#5999  -  []  286.51 264.21 0 top
NOREF#6000  -  []  560.98 441.92 0 top
NOREF#6001  -  []  604.4 272.59 90 top
NOREF#6002  -  []  326.57 193.67 0 top
NOREF#6003  -  []  122.18 52.62 90 top
NOREF#6004  -  []  250.03 213.54 90 top
NOREF#6005  -  []  620.17 20.69 90 top
NOREF#6006  -  []  94.97 207.82 0 top
NOREF#6007  -  []  277.71 212.23 0 top
NOREF#6008  -  []  257.77 96.61 90 top
NOREF#6009  -  []  408.91 201.81 0 top
NOREF#6010  -  []  86.61 201.81 0 top
NOREF#6011  -  []  284.09 259.43 0 top
NOREF#6012  -  []  178.5 222.56 90 top
NOREF#6013  -  []  342.24 32 0 top
NOREF#6014  -  []  358.83 203.37 0 top
NOREF#6015  -  []  638.54 362.67 90 top
NOREF#6016  -  []  208.54 436.97 90 top
NOREF#6017  -  []  88.99 212.23 90 top
NOREF#6018  -  []  330.54 40.08 90 top
NOREF#6019  -  []  90.04 290.41 90 top
NOREF#6020  -  []  188.77 266.69 0 top
NOREF#6021  -  []  402.1 203.8 90 top
NOREF#6022  -  []  191.05 216.36 0 top
NOREF#6023  -  []  289.69 203.43 90 top
NOREF#6024  -  []  594.39 202.65 90 top
NOREF#6025  -  []  151.93 435.1 0 top
NOREF#6026  -  []  34.34 226.97 90 top
NOREF#6027  -  []  350 203 0 top
NOREF#6028  -  []  408.5 261.39 90 top
NOREF#6029  -  []  253.61 206.2 0 top
NOREF#6030  -  []  88.57 204.62 0 top
NOREF#6031  -  []  95.57 225.77 90 top
NOREF#6032  -  []  596.43 149.4 90 top
NOREF#6033  -  []  96.19 207.45 90 top
NOREF#6034  -  []  672.31 273.77 0 top
NOREF#6035  -  []  93.01 264.21 0 top
NOREF#6036  -  []  403.29 200.23 0 top
NOREF#6037  -  []  288.47 271.82 0 top
NOREF#6038  -  []  618 241.02 90 top
NOREF#6039  -  []  359.72 144.84 0 top
NOREF#6040  -  []  94.1 230.41 90 top
NOREF#6041  -  []  142.91 425.85 0 top
NOREF#6042  -  []  310.22 40.08 90 top
NOREF#6043  -  []  602.77 269.42 0 top
NOREF#6044  -  []  521.24 57.23 90 top
NOREF#6045  -  []  605.57 266.63 90 top
NOREF#6046  -  []  397.71 272.23 0 top
NOREF#6047  -  []  412.87 261.05 90 top
NOREF#6048  -  []  661.53 149.22 0 top
NOREF#6049  -  []  342.05 193.65 90 top
NOREF#6050  -  []  592.1 182.9 0 top
NOREF#6051  -  []  358.67 229.31 0 top
NOREF#6052  -  []  402.1 211 90 top
NOREF#6053  -  []  95.37 204.25 90 top
NOREF#6054  -  []  491.74 454.91 0 top
NOREF#6055  -  []  647.13 63.21 90 top
NOREF#6056  -  []  572.63 159.77 90 top
NOREF#6057  -  []  675.41 276.87 0 top
NOREF#6058  -  []  597.97 271.82 0 top
NOREF#6059  -  []  592.79 206.65 90 top
NOREF#6060  -  []  -27.99 320.81 90 top
NOREF#6061  -  []  406.1 199.79 90 top
NOREF#6062  -  []  341.01 428.29 90 top
NOREF#6063  -  []  94.17 346.56 0 top
NOREF#6064  -  []  437.41 277.63 90 top
NOREF#6065  -  []  367.09 433.78 90 top
NOREF#6066  -  []  77.56 262.57 0 top
NOREF#6067  -  []  281.69 199.43 0 top
NOREF#6068  -  []  191.05 222.56 0 top
NOREF#6069  -  []  581.81 269.48 90 top
NOREF#6070  -  []  602.8 211 90 top
NOREF#6071  -  []  187.07 49.56 0 top
NOREF#6072  -  []  112.07 261.26 90 top
NOREF#6073  -  []  604.77 209.85 90 top
NOREF#6074  -  []  273.56 423.14 0 top
NOREF#6075  -  []  605.98 325.6 0 top
NOREF#6076  -  []  285.69 206.65 90 top
NOREF#6077  -  []  94.17 263.02 0 top
NOREF#6078  -  []  673.94 187.58 90 top
NOREF#6079  -  []  284.87 269.85 90 top
NOREF#6080  -  []  679.31 273.77 0 top
NOREF#6081  -  []  623.58 279.93 90 top
NOREF#6082  -  []  70.6 246.22 90 top
NOREF#6083  -  []  80.63 312.42 90 top
NOREF#6084  -  []  107.35 434.2 0 top
NOREF#6085  -  []  405.67 268.25 90 top
NOREF#6086  -  []  400.89 202.63 90 top
NOREF#6087  -  []  366.53 213.54 0 top
NOREF#6088  -  []  289.69 209.01 0 top
NOREF#6089  -  []  588.69 181.71 90 top
NOREF#6090  -  []  584.23 423.82 0 top
NOREF#6091  -  []  20.08 369.99 0 top
NOREF#6092  -  []  351.22 415.37 0 top
NOREF#6093  -  []  97.37 203.82 0 top
NOREF#6094  -  []  568.18 314.58 0 top
NOREF#6095  -  []  284.06 438.04 0 top
NOREF#6096  -  []  91.8 265.39 90 top
NOREF#6097  -  []  600.81 264.23 0 top
NOREF#6098  -  []  633.37 278.02 90 top
NOREF#6099  -  []  631.5 165.83 0 top
NOREF#6100  -  []  112.38 312.42 90 top
NOREF#6101  -  []  700.31 279.4 0 top
NOREF#6102  -  []  366.53 273.53 0 top
NOREF#6103  -  []  625.2 143.87 90 top
NOREF#6104  -  []  337.7 424.48 90 top
NOREF#6105  -  []  623.58 219.93 0 top
NOREF#6106  -  []  2.21 296.33 90 top
NOREF#6107  -  []  414.2 277.29 90 top
NOREF#6108  -  []  177.04 429.31 90 top
NOREF#6109  -  []  578 328.22 0 top
NOREF#6110  -  []  104.26 230.41 90 top
NOREF#6111  -  []  610.73 309.63 90 top
NOREF#6112  -  []  285.69 201.03 90 top
NOREF#6113  -  []  283.27 209.85 90 top
NOREF#6114  -  []  303.14 201.84 90 top
NOREF#6115  -  []  591.57 270.22 0 top
NOREF#6116  -  []  131.43 322.58 90 top
NOREF#6117  -  []  253.77 378.54 0 top
NOREF#6118  -  []  628.51 261.62 90 top
NOREF#6119  -  []  495.84 44.55 0 top
NOREF#6120  -  []  220.9 432.22 90 top
NOREF#6121  -  []  393.76 201.6 90 top
NOREF#6122  -  []  232.75 330.54 90 top
NOREF#6123  -  []  393.03 273.53 90 top
NOREF#6124  -  []  94.59 263.43 90 top
NOREF#6125  -  []  61.94 209.82 90 top
NOREF#6126  -  []  577.38 149.4 90 top
NOREF#6127  -  []  94.17 260.62 0 top
NOREF#6128  -  []  460.69 431.02 90 top
NOREF#6129  -  []  328.31 444.8 90 top
NOREF#6130  -  []  432.48 214.83 0 top
NOREF#6131  -  []  401.3 211 90 top
NOREF#6132  -  []  90.59 258.63 90 top
NOREF#6133  -  []  115.3 220.48 0 top
NOREF#6134  -  []  601.57 203.45 90 top
NOREF#6135  -  []  292.47 207.82 0 top
NOREF#6136  -  []  530.46 48.15 0 top
NOREF#6137  -  []  289.3 200.59 90 top
NOREF#6138  -  []  410.87 211.02 0 top
NOREF#6139  -  []  600.81 273.01 0 top
NOREF#6140  -  []  284.87 265.83 90 top
NOREF#6141  -  []  81.77 331.72 90 top
NOREF#6142  -  []  340.12 444.8 0 top
NOREF#6143  -  []  600.37 205.42 0 top
NOREF#6144  -  []  461.84 433.64 90 top
NOREF#6145  -  []  581.22 49.14 0 top
NOREF#6146  -  []  288.09 263.43 90 top
NOREF#6147  -  []  142.37 235.44 0 top
NOREF#6148  -  []  603.61 217.3 90 top
NOREF#6149  -  []  585.83 241.06 90 top
NOREF#6150  -  []  100.17 203.43 90 top
NOREF#6151  -  []  272.3 279.22 0 top
NOREF#6152  -  []  518.42 227.37 90 top
NOREF#6153  -  []  633.37 223.23 90 top
NOREF#6154  -  []  94.59 203.43 90 top
NOREF#6155  -  []  278.87 269.42 0 top
NOREF#6156  -  []  288.89 203.45 90 top
NOREF#6157  -  []  605.59 273.05 90 top
NOREF#6158  -  []  284.34 285.56 90 top
NOREF#6159  -  []  404.5 211 90 top
NOREF#6160  -  []  378.03 427.89 90 top
NOREF#6161  -  []  590.8 213.42 0 top
NOREF#6162  -  []  52.64 166.73 0 top
NOREF#6163  -  []  97.01 205.03 0 top
NOREF#6164  -  []  600.79 266.63 90 top
NOREF#6165  -  []  21.46 386.74 90 top
NOREF#6166  -  []  45.67 215.01 90 top
NOREF#6167  -  []  82.91 160.02 90 top
NOREF#6168  -  []  92.57 159.77 90 top
NOREF#6169  -  []  432.77 420.16 90 top
NOREF#6170  -  []  230 270.11 0 top
NOREF#6171  -  []  -15.54 226.48 0 top
NOREF#6172  -  []  632.68 261.19 90 top
NOREF#6173  -  []  610.95 239.12 90 top
NOREF#6174  -  []  579.95 228.22 90 top
NOREF#6175  -  []  358.83 261.77 90 top
NOREF#6176  -  []  577.81 34.98 90 top
NOREF#6177  -  []  86.17 271.82 0 top
NOREF#6178  -  []  283.7 199.8 90 top
NOREF#6179  -  []  437.41 217.63 90 top
NOREF#6180  -  []  91.77 200.62 0 top
NOREF#6181  -  []  345.5 415.37 90 top
NOREF#6182  -  []  57.84 271.42 0 top
NOREF#6183  -  []  408.09 209.03 0 top
NOREF#6184  -  []  92.99 205.03 0 top
NOREF#6185  -  []  673.94 152.65 0 top
NOREF#6186  -  []  600.56 242.01 90 top
NOREF#6187  -  []  293.1 281.84 0 top
NOREF#6188  -  []  238.67 229.31 0 top
NOREF#6189  -  []  519.43 438.07 90 top
NOREF#6190  -  []  289.69 212.21 0 top
NOREF#6191  -  []  504.07 416.31 90 top
NOREF#6192  -  []  202.41 216.36 0 top
NOREF#6193  -  []  404.87 205.03 90 top
NOREF#6194  -  []  284.66 436.44 0 top
NOREF#6195  -  []  289.69 270.61 0 top
NOREF#6196  -  []  338.32 273.68 0 top
NOREF#6197  -  []  408.47 209.42 0 top
NOREF#6198  -  []  227.8 263 0 top
NOREF#6199  -  []  89.4 271 90 top
NOREF#6200  -  []  -2.69 195.4 0 top
NOREF#6201  -  []  240.57 264.97 90 top
NOREF#6202  -  []  174.65 36.88 0 top
NOREF#6203  -  []  96.99 199.45 90 top
NOREF#6204  -  []  441.21 282.34 90 top
NOREF#6205  -  []  8.31 49.29 90 top
NOREF#6206  -  []  26.49 485.4 0 top
NOREF#6207  -  []  272.02 436.97 90 top
NOREF#6208  -  []  52.31 211.77 90 top
NOREF#6209  -  []  590.08 152.6 0 top
NOREF#6210  -  []  88.19 265.05 90 top
NOREF#6211  -  []  292.59 188.81 90 top
NOREF#6212  -  []  412.09 271.41 0 top
NOREF#6213  -  []  89.77 202.63 90 top
NOREF#6214  -  []  285.3 271 90 top
NOREF#6215  -  []  602 202.2 90 top
NOREF#6216  -  []  686.33 105.03 90 top
NOREF#6217  -  []  13.21 410.87 90 top
NOREF#6218  -  []  601.59 273.03 0 top
NOREF#6219  -  []  290.49 201.03 90 top
NOREF#6220  -  []  48.42 422.73 90 top
NOREF#6221  -  []  289.67 200.25 90 top
NOREF#6222  -  []  52.64 389.29 0 top
NOREF#6223  -  []  596.79 209.81 0 top
NOREF#6224  -  []  62.77 187.9 0 top
NOREF#6225  -  []  318.15 32.26 0 top
NOREF#6226  -  []  293.67 267.43 90 top
NOREF#6227  -  []  -27.99 85.48 90 top
NOREF#6228  -  []  437.4 282.34 90 top
NOREF#6229  -  []  552.62 238.4 90 top
NOREF#6230  -  []  335.62 55.96 90 top
NOREF#6231  -  []  3.19 144.27 90 top
NOREF#6232  -  []  288.07 198.65 90 top
NOREF#6233  -  []  591.57 211.02 0 top
NOREF#6234  -  []  638.54 355.36 0 top
NOREF#6235  -  []  92.6 203 90 top
NOREF#6236  -  []  592.37 207.02 0 top
NOREF#6237  -  []  412.64 44.59 90 top
NOREF#6238  -  []  405.75 225.56 90 top
NOREF#6239  -  []  287.6 217.29 90 top
NOREF#6240  -  []  287.29 208.21 0 top
NOREF#6241  -  []  329.27 273.66 90 top
NOREF#6242  -  []  284.11 261.81 0 top
NOREF#6243  -  []  238.83 269.39 90 top
NOREF#6244  -  []  426.57 420.16 90 top
NOREF#6245  -  []  406.9 271 90 top
NOREF#6246  -  []  92.19 208.23 0 top
NOREF#6247  -  []  278.1 206.22 90 top
NOREF#6248  -  []  354.63 58.88 90 top
NOREF#6249  -  []  2.21 277.28 90 top
NOREF#6250  -  []  510.41 424.48 90 top
NOREF#6251  -  []  241.79 284.66 90 top
NOREF#6252  -  []  25.22 390.94 0 top
NOREF#6253  -  []  472.22 96.61 90 top
NOREF#6254  -  []  90.36 230.11 0 top
NOREF#6255  -  []  436.2 222.99 0 top
NOREF#6256  -  []  313.7 27.31 90 top
NOREF#6257  -  []  529.78 191.74 0 top
NOREF#6258  -  []  257.77 92.61 90 top
NOREF#6259  -  []  291.29 201.83 0 top
NOREF#6260  -  []  508.72 28.83 0 top
NOREF#6261  -  []  18.92 463.94 0 top
NOREF#6262  -  []  361.71 444.8 90 top
NOREF#6263  -  []  277.3 212.6 90 top
NOREF#6264  -  []  402.9 211 90 top
NOREF#6265  -  []  403.29 266.61 0 top
NOREF#6266  -  []  429.28 271.63 90 top
NOREF#6267  -  []  337.7 442.9 90 top
NOREF#6268  -  []  711.28 161.02 90 top
NOREF#6269  -  []  98.22 208.59 90 top
NOREF#6270  -  []  673.94 21.21 0 top
NOREF#6271  -  []  595.73 217.3 90 top
NOREF#6272  -  []  287.31 273.01 0 top
NOREF#6273  -  []  47.54 439.03 90 top
NOREF#6274  -  []  592.81 202.63 0 top
NOREF#6275  -  []  406.34 278.14 0 top
NOREF#6276  -  []  401.69 210.63 0 top
NOREF#6277  -  []  392.35 233.32 0 top
NOREF#6278  -  []  593.59 261.81 0 top
NOREF#6279  -  []  174.78 27.61 0 top
NOREF#6280  -  []  90.59 264.23 0 top
NOREF#6281  -  []  401.27 208.62 0 top
NOREF#6282  -  []  570.9 219.17 0 top
NOREF#6283  -  []  627.75 224.72 90 top
NOREF#6284  -  []  281.2 223.88 0 top
NOREF#6285  -  []  324.89 197.65 0 top
NOREF#6286  -  []  601.59 206.61 0 top
NOREF#6287  -  []  3.86 425.43 90 top
NOREF#6288  -  []  189.51 55.76 90 top
NOREF#6289  -  []  592.37 269.42 0 top
NOREF#6290  -  []  355.4 210.11 90 top
NOREF#6291  -  []  59.69 150.81 90 top
NOREF#6292  -  []  115.1 268.15 90 top
NOREF#6293  -  []  196.26 32.38 90 top
NOREF#6294  -  []  519.64 51.69 90 top
NOREF#6295  -  []  330.29 227.94 90 top
NOREF#6296  -  []  107.17 289.44 90 top
NOREF#6297  -  []  596.49 240.8 90 top
NOREF#6298  -  []  534.65 422.8 90 top
NOREF#6299  -  []  247.06 452.84 0 top
NOREF#6300  -  []  61.94 269.82 90 top
NOREF#6301  -  []  81.47 346.56 0 top
NOREF#6302  -  []  358.67 225.35 90 top
NOREF#6303  -  []  280.37 283.23 90 top
NOREF#6304  -  []  358.53 271.24 0 top
NOREF#6305  -  []  63.07 253.36 0 top
NOREF#6306  -  []  601.2 262.2 90 top
NOREF#6307  -  []  602 260.59 90 top
NOREF#6308  -  []  436.51 284.7 0 top
NOREF#6309  -  []  371.74 442.9 90 top
NOREF#6310  -  []  570.9 279.17 90 top
NOREF#6311  -  []  284.87 205.03 90 top
NOREF#6312  -  []  32.29 279.4 0 top
NOREF#6313  -  []  619.49 140.59 0 top
NOREF#6314  -  []  285.69 259.43 0 top
NOREF#6315  -  []  280.89 266.65 90 top
NOREF#6316  -  []  335.62 40.08 90 top
NOREF#6317  -  []  408.89 263.43 90 top
NOREF#6318  -  []  588.04 181.7 90 top
NOREF#6319  -  []  609.13 149.4 90 top
NOREF#6320  -  []  349.55 43.03 0 top
NOREF#6321  -  []  283.27 269.85 90 top
NOREF#6322  -  []  232.34 184.35 0 top
NOREF#6323  -  []  623.58 285.14 0 top
NOREF#6324  -  []  85.97 230.41 90 top
NOREF#6325  -  []  588.49 263.5 90 top
NOREF#6326  -  []  431.53 49.56 0 top
NOREF#6327  -  []  86.59 269.81 0 top
NOREF#6328  -  []  336.65 220.51 0 top
NOREF#6329  -  []  578.77 276.23 90 top
NOREF#6330  -  []  357.9 437.44 90 top
NOREF#6331  -  []  7.6 377.54 90 top
NOREF#6332  -  []  201.3 286.22 0 top
NOREF#6333  -  []  11.29 215.18 0 top
NOREF#6334  -  []  528.13 203.04 0 top
NOREF#6335  -  []  153.74 453.5 0 top
NOREF#6336  -  []  201.3 286.22 0 top
NOREF#6337  -  []  617.08 316.87 90 top
NOREF#6338  -  []  88.21 261.81 0 top
NOREF#6339  -  []  349.89 92.61 90 top
NOREF#6340  -  []  91.8 309.88 0 top
NOREF#6341  -  []  612.63 336.17 0 top
NOREF#6342  -  []  336.65 266.93 0 top
NOREF#6343  -  []  279.7 266.2 90 top
NOREF#6344  -  []  105.38 202.96 90 top
NOREF#6345  -  []  171.86 281.41 90 top
NOREF#6346  -  []  90.59 265.85 90 top
NOREF#6347  -  []  284.91 269.81 0 top
NOREF#6348  -  []  182.72 271.5 0 top
NOREF#6349  -  []  392.13 203.55 90 top
NOREF#6350  -  []  586.21 194.77 90 top
NOREF#6351  -  []  600.79 201.83 0 top
NOREF#6352  -  []  88.17 209.03 90 top
NOREF#6353  -  []  290.1 200.59 90 top
NOREF#6354  -  []  97.4 271.79 90 top
NOREF#6355  -  []  604.38 159.77 90 top
NOREF#6356  -  []  331.99 442.9 90 top
NOREF#6357  -  []  478.59 454.84 315 top
NOREF#6358  -  []  14.11 179.96 90 top
NOREF#6359  -  []  164.24 445.82 0 top
NOREF#6360  -  []  358.53 203.62 0 top
NOREF#6361  -  []  602.41 268.23 0 top
NOREF#6362  -  []  19.29 320.4 0 top
NOREF#6363  -  []  592.43 180.8 90 top
NOREF#6364  -  []  85.4 204.6 90 top
NOREF#6365  -  []  608.78 268.37 90 top
NOREF#6366  -  []  587.3 52.44 0 top
NOREF#6367  -  []  398.1 259.02 90 top
NOREF#6368  -  []  574.97 191.05 90 top
NOREF#6369  -  []  6.8 105.03 90 top
NOREF#6370  -  []  173.01 266.69 0 top
NOREF#6371  -  []  414.73 190.4 0 top
NOREF#6372  -  []  94.61 267.43 0 top
NOREF#6373  -  []  92.21 264.21 0 top
NOREF#6374  -  []  437.4 278.28 90 top
NOREF#6375  -  []  14.11 179.96 0 top
